# Altium PCB Passive_Sonar_Rev1.PcbDoc (part 1 of 2)
Units mil, origin at the board's own origin, x right, y up, seen from the top; angles counter-clockwise.
Board outline 4015 x 2015 mil, 4 copper layers (Top Layer, Power, Ground, Bottom Layer); 218 components, 117 nets, 707 pads, 249 vias.
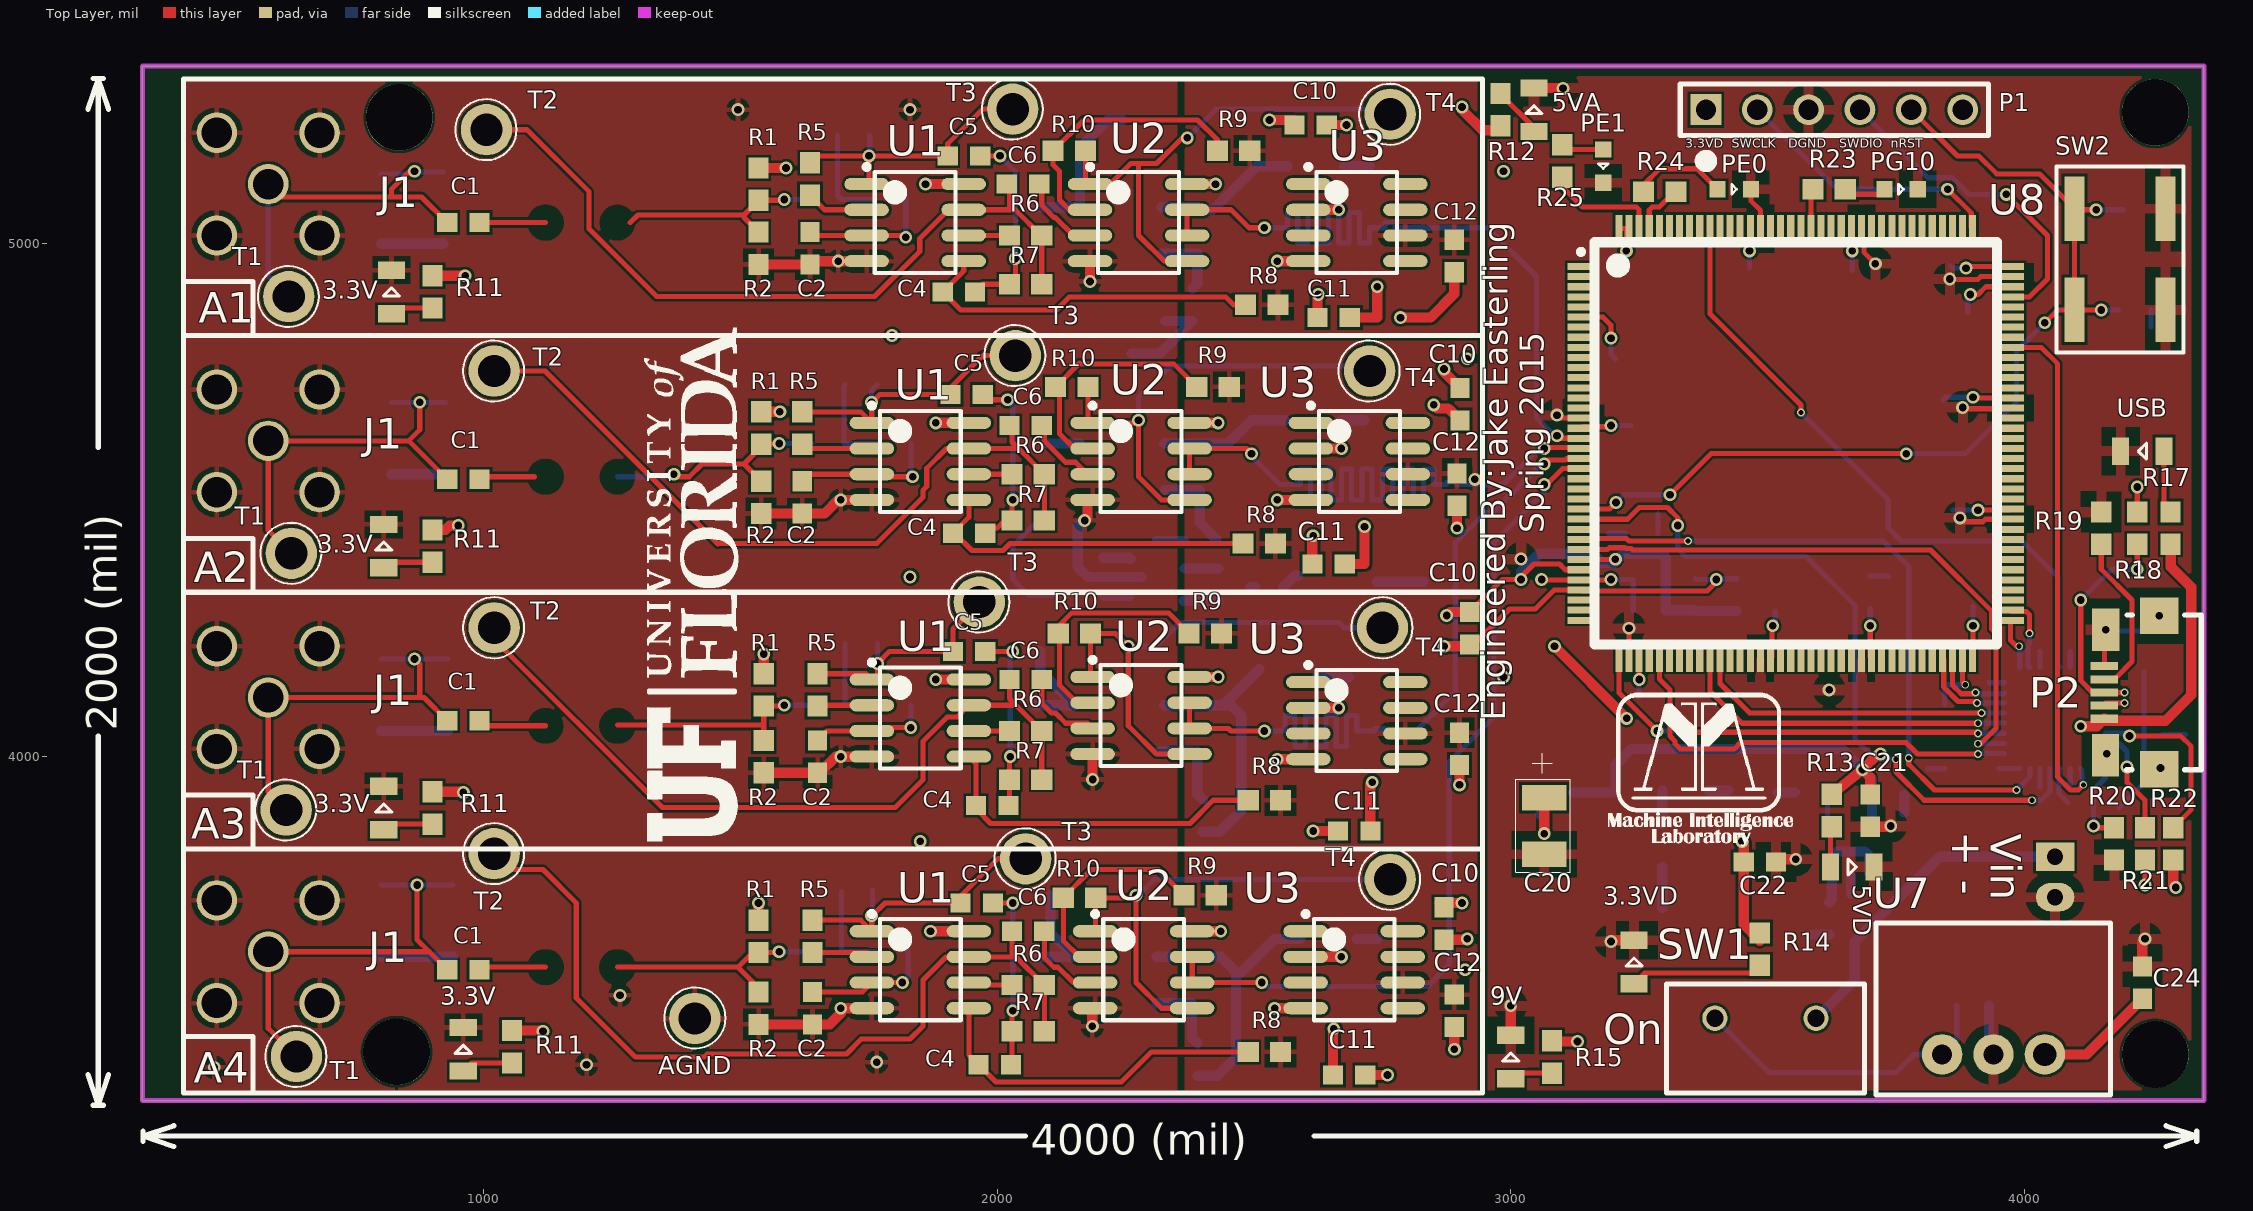
[diagram p0: Top Layer view]
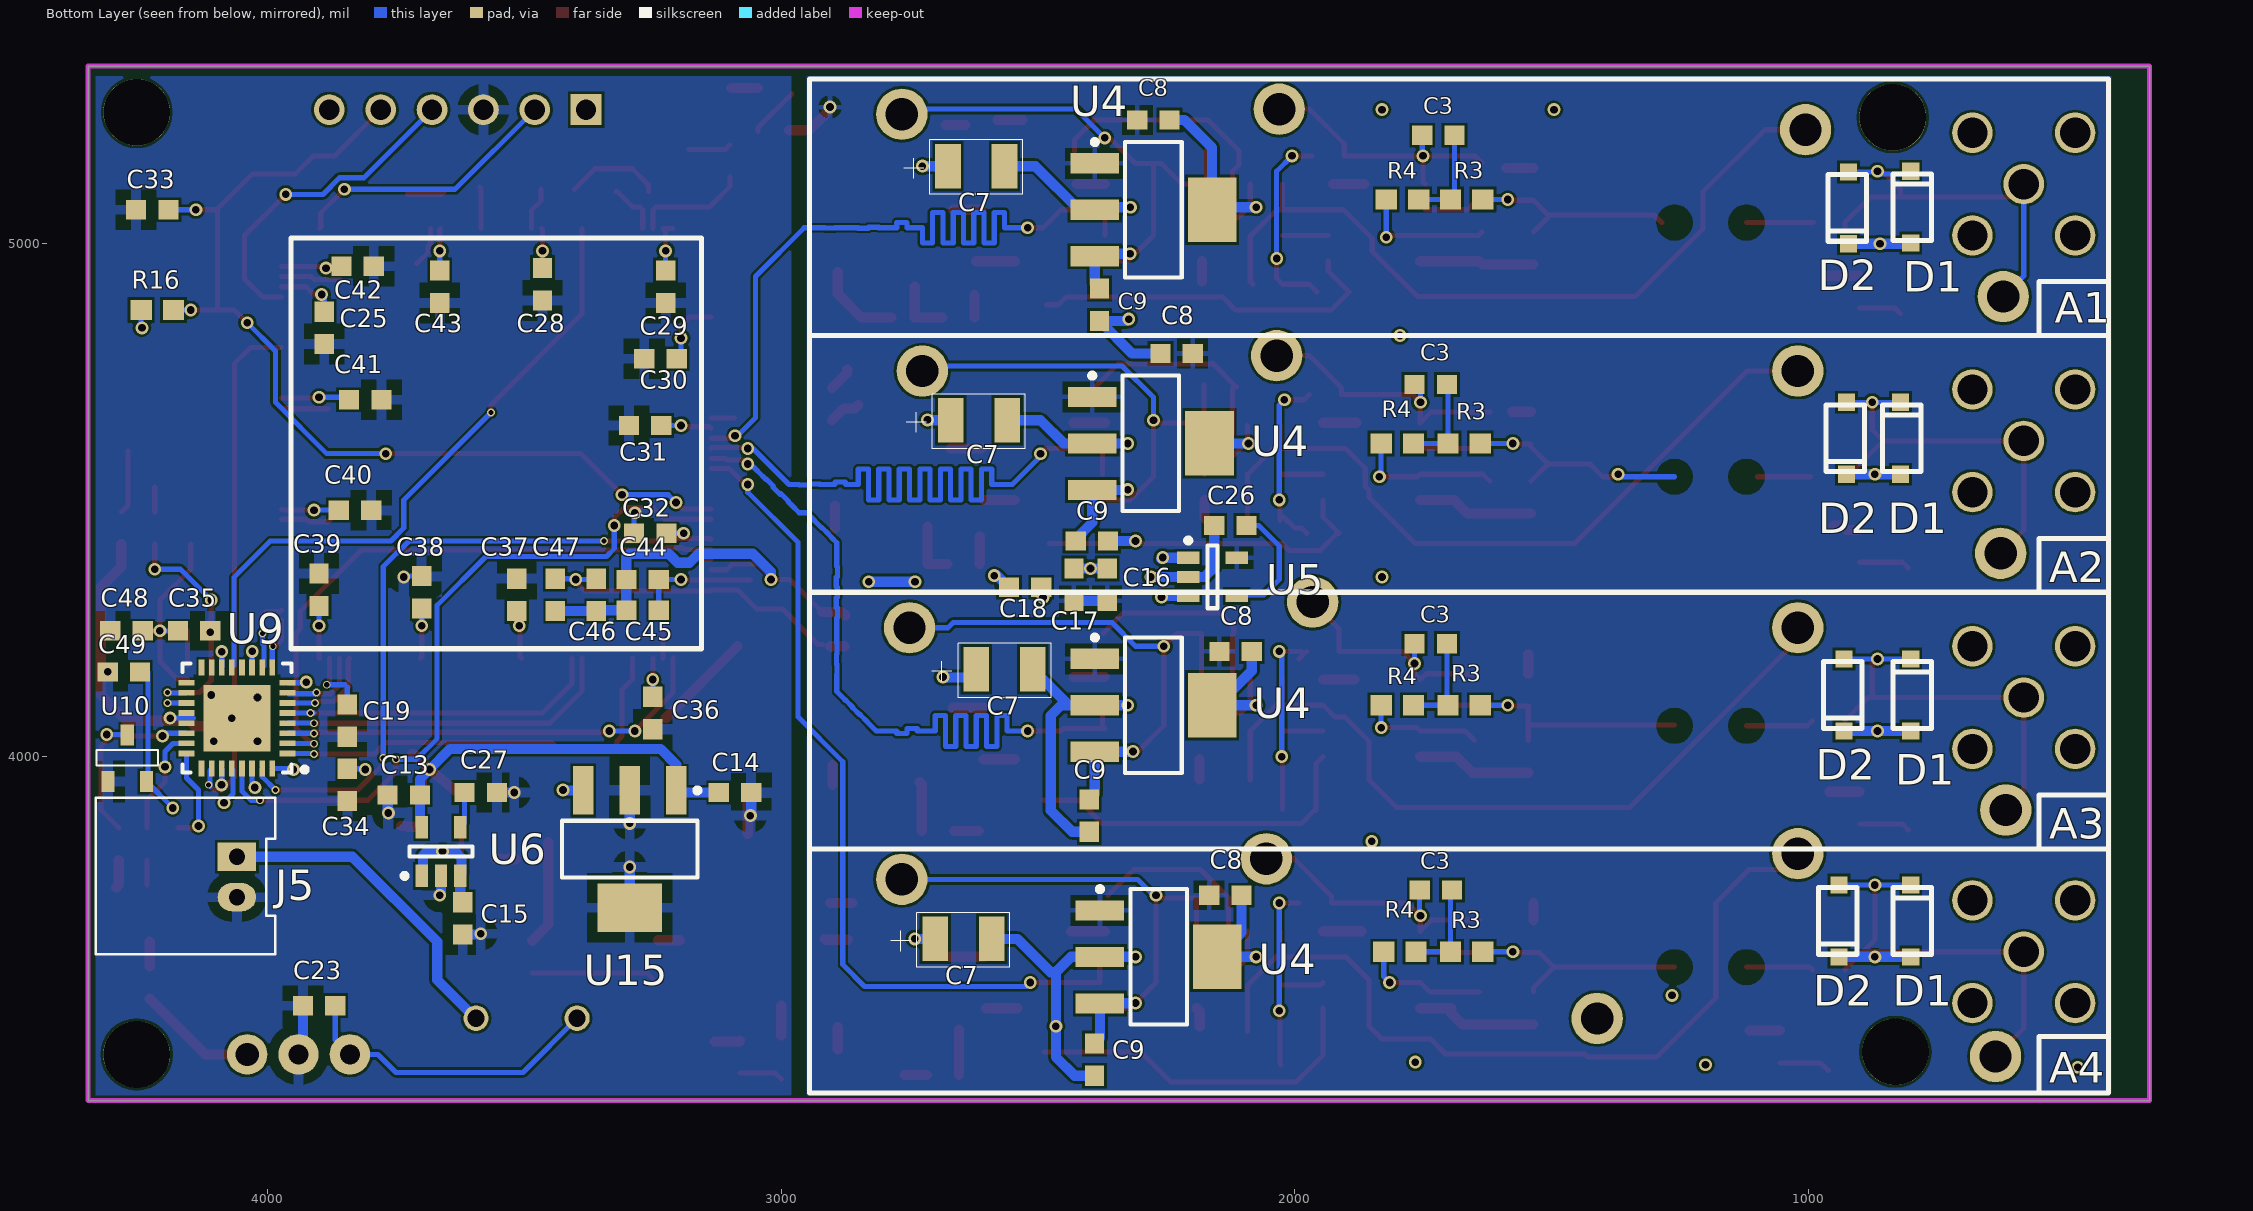
[diagram p1: Bottom Layer view, seen from below]
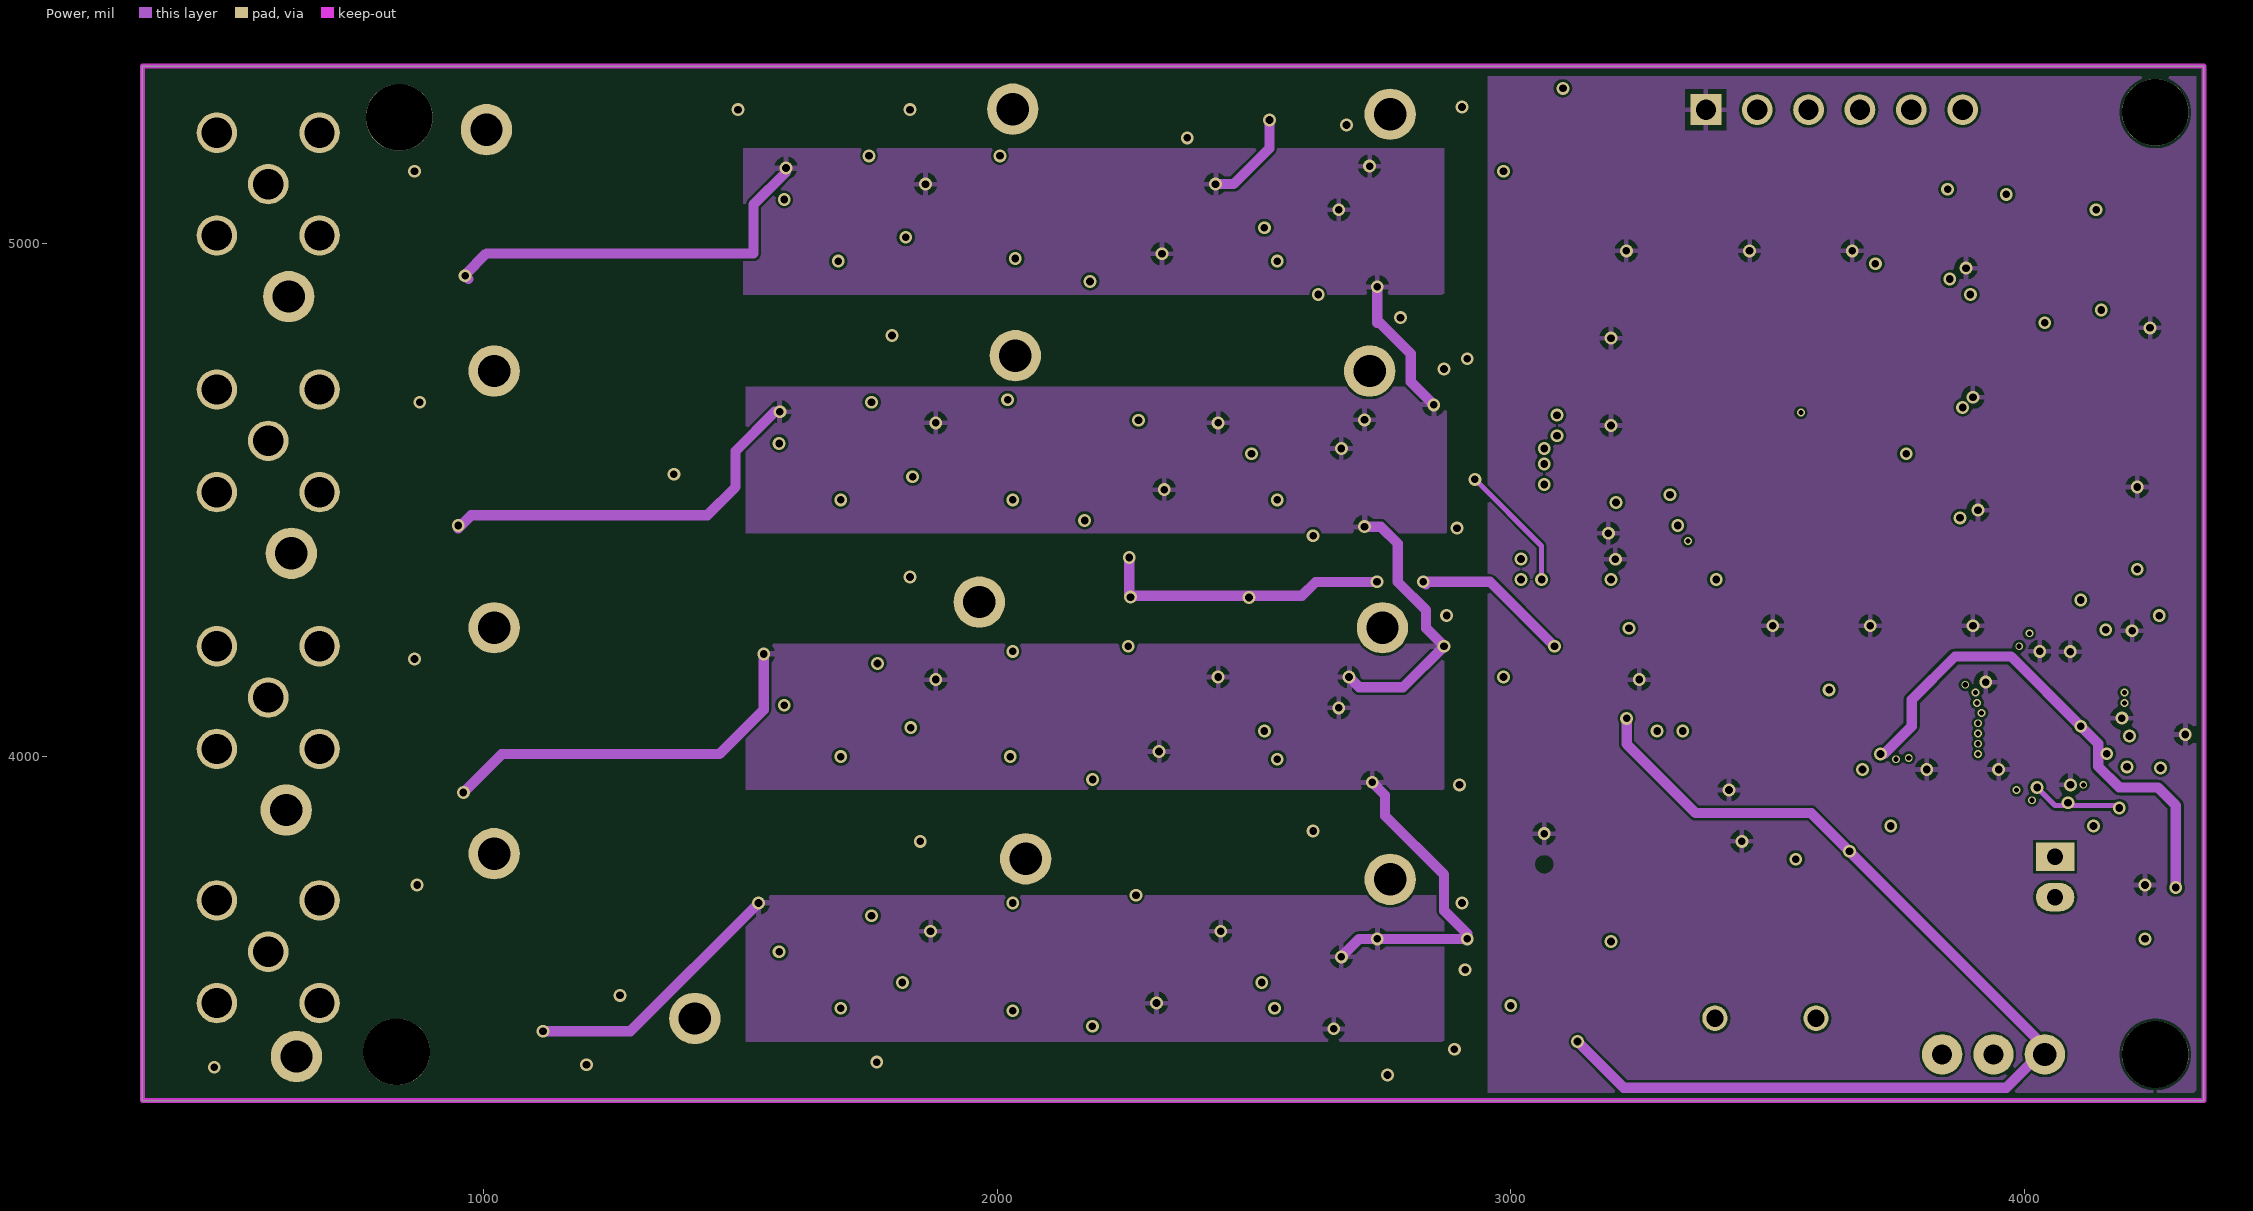
[diagram p2: Power]
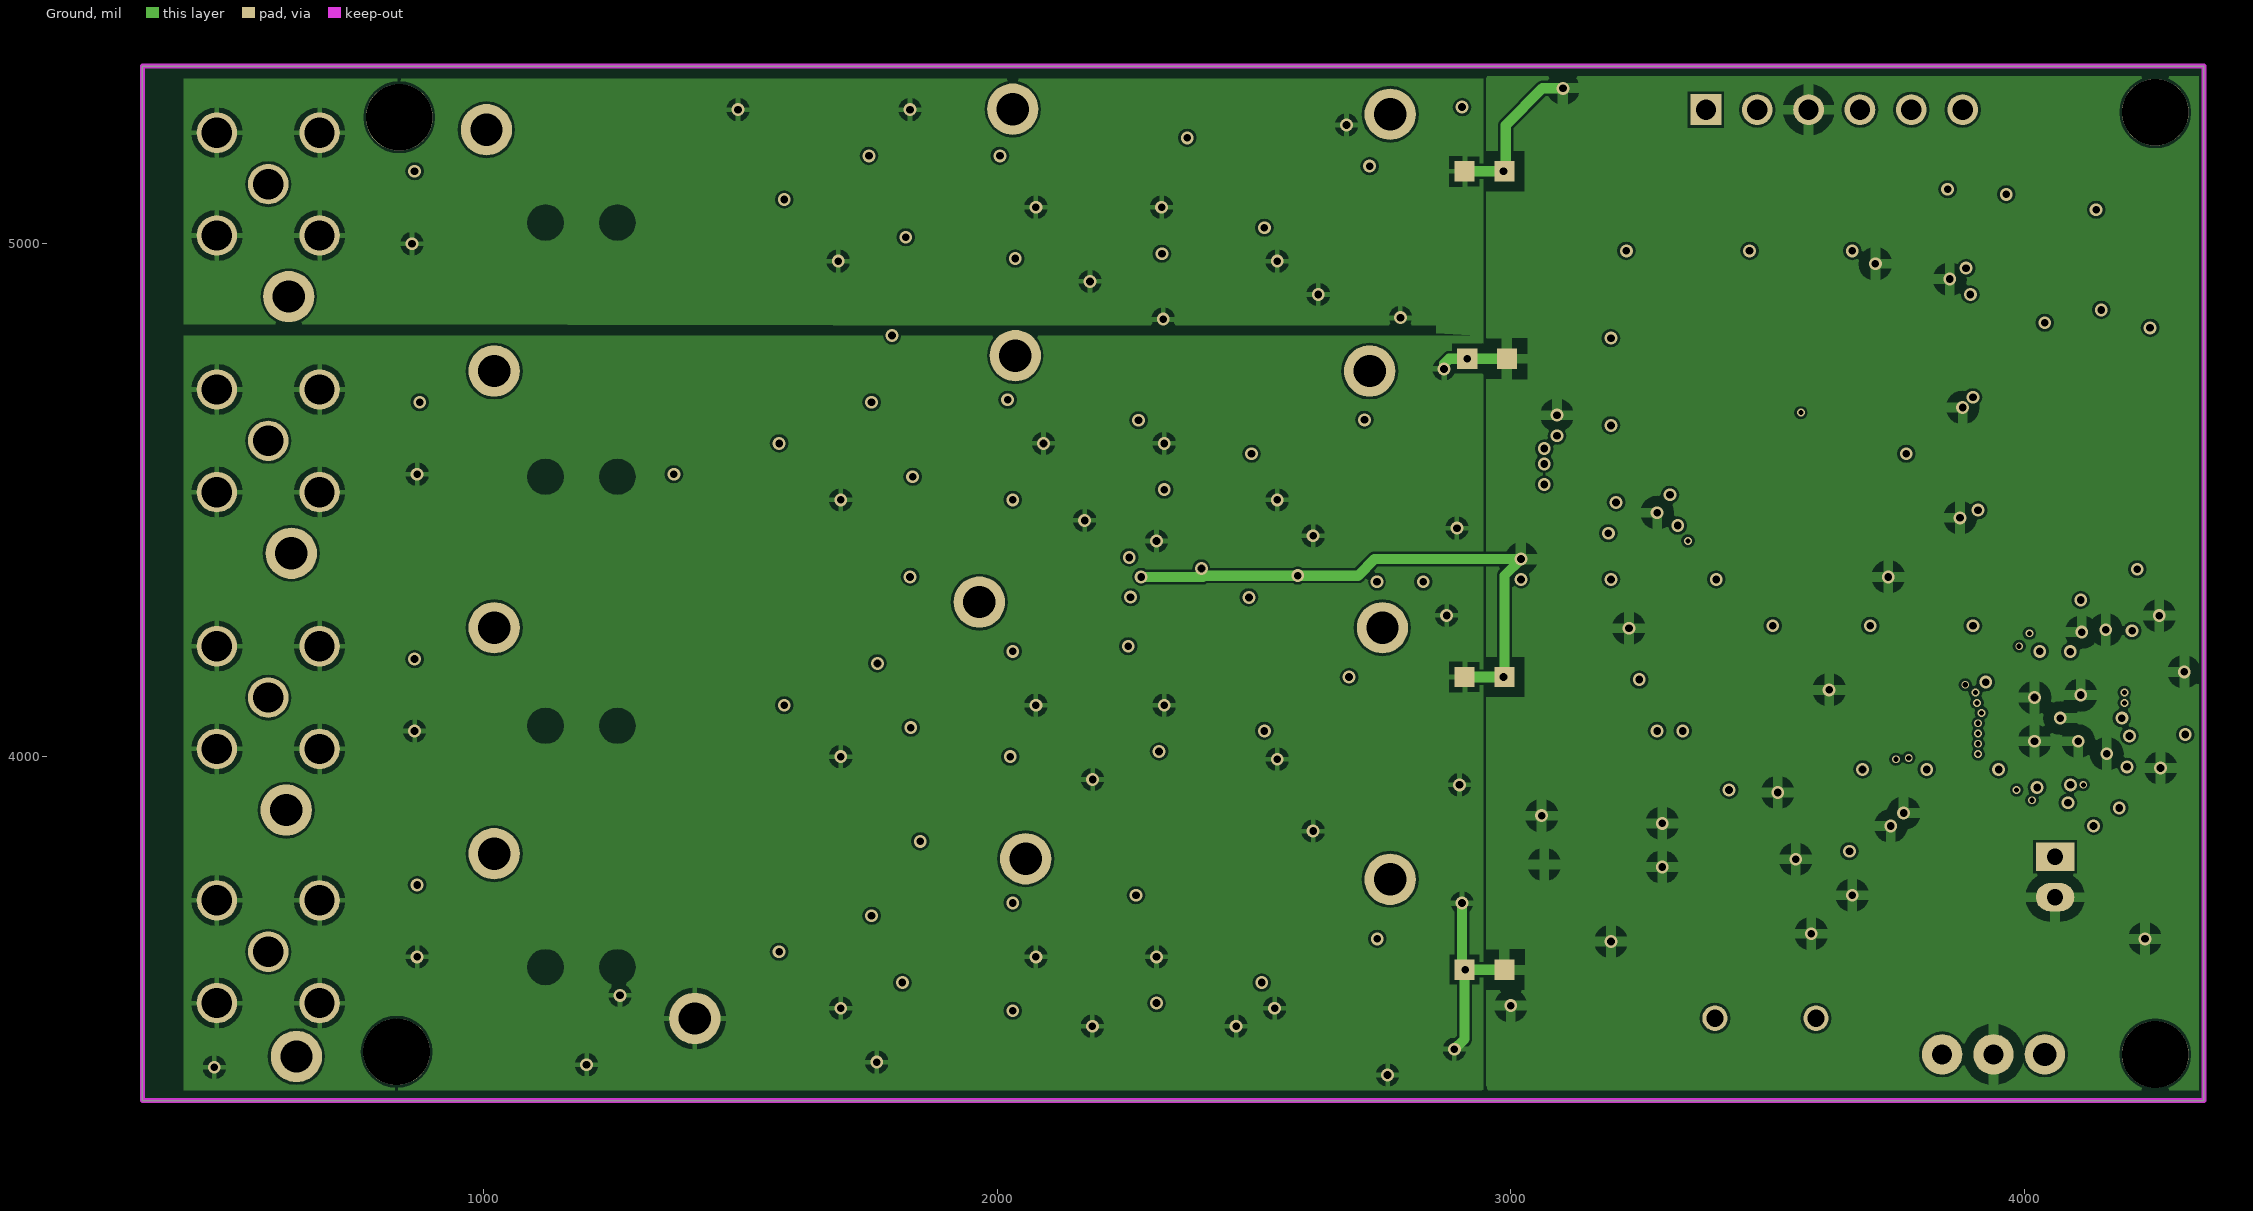
[diagram p3: Ground]

## Layer stack, top to bottom
Top Layer: signal copper 1.4
Dielectric: core 12.6, FR-4, Dk 4.8
Power: signal copper 1.4
Dielectric: prepreg 12.6, FR-4, Dk 4.8
Ground: signal copper 1.4
Dielectric: core 12.6, FR-4, Dk 4.8
Bottom Layer: signal copper 1.4

## Board outline
335,3330 335,5345 4350,5345 4350,3330 335,3330

## Design rules (kind name [scope] priority, off if disabled: settings)
Clearance [All] p1: gap=5
DiffPairsRouting [All] p1: maxlimit=10 minlimit=10 mostfreqgap=10 maxuncoupledlength=500
HoleSize [All] p1: absolutevalues=TRUE maxlimit=131 minlimit=1 maxpercent=80.000 minpercent=20.000
MinimumSolderMaskSliver [All] p1: minsoldermaskwidth=0
PolygonConnect PolygonConnect_1 [InNetClass('Ground') vs IsNamedPolygon('DGND')] p1: connectstyle=Relief reliefconductorwidth=20 reliefentries=4 polygonreliefangle="90 Angle" airgapwidth=20
PolygonConnect [All] p2: connectstyle=Relief reliefconductorwidth=10 reliefentries=4 polygonreliefangle="90 Angle" airgapwidth=10
RoutingCorners [All] p1: cornerstyle=Round minsetback=100 maxsetback=100
RoutingVias [All] p1: holewidth=15 width=25 viastyle="Through Hole" minholewidth=10 minwidth=15 maxholewidth=28 maxwidth=50
ShortCircuit "Ground S.C." [InNetClass('Ground')] p1: allowed=TRUE
ShortCircuit [All] p2: allowed=FALSE
SilkToSilkClearance [All] p1: silktosilkclearance=0
SilkToSolderMaskClearance [IsPad] p1: minsilkscreentomaskgap=0 clearancetoexposedcopper=TRUE
SolderMaskExpansion [All] p1: expansion=4
Width Power [InNetClass('Power')] p1: maxlimit=20 minlimit=10 preferedwidth=20
Width Ground [InNetClass('Ground')] p2: maxlimit=50 minlimit=10 preferedwidth=20
Width [All] p3: maxlimit=10 minlimit=10 preferedwidth=10
21 further rules are at their usual default settings.

## Classes and differential pairs
component class U_USB: C34 C35 C48 C49 P2 R17 R18 R19 R20 R21 R22 U9 U10 USB
net class Band_Pass: NetU2_A1_6 NetU2_A2_6 NetU2_A3_6 NetU2_A4_6
component class A3: C1_A3 C2_A3 C3_A3 C4_A3 C5_A3 C6_A3 C7_A3 C8_A3 C9_A3 C10_A3 C11_A3 C12_A3 D1_A3 D2_A3 L1_A3 LED4_A3 R1_A3 R2_A3 R3_A3 R4_A3 R5_A3 R6_A3 R7_A3 R8_A3 R9_A3 R10_A3 R11_A3 T1_A3 T2_A3 T3_A3 T4_A3 U1_A3 U2_A3 U3_A3 U4_A3
channel class Band_Pass: A1 A2 A3 A4
component class U_Power_: 3.3VD 5VA 5VD 9V C13 C14 C15 C16 C17 C18 C20 C21 C22 C23 C24 C26 C27 R12 R13 R14 R15 SW1 U5 U6 U7 U15
component class Top_Level: J1 J5
component class A4: 3.3V C1 C2 C3 C4 C5 C6 C7 C8 C9 C10 C11 C12 C47_A4 D1 D2 LED4_A4 R1 R2 R3 R4 R5 R6 R7 R8 R9 R10 R11 R11_A4 T1 T2 T3 T4 U1 U3
component class A1: 3.3V C1 C2 C3 C4 C5 C6 C7 C8 C9 C10 C11 C12 C47_A3 D1 D2 R1 R2 R3 R4 R5 R6 R7 R8 R9 R10 R11 T1 T2 T3 T4 U1 U2 U3 U4
net class Power: 3.3VA1 3.3VD 5VA 5VD V9 VIN
net class Ground: AGND DGND
component class A2: 3.3V C1 C2 C3 C4 C5 C6 C47 C50 C51 C52 C53 C54 C55 C56 C57 C58 C59 C60 C61 C62 D1 D2 PE0 PE1 PG10 R1 R2 R3 R4 R5 R6 R7 R8 R9 R10 R11 R52 R53 R54 R55 T1 T2 T3 T4 U1 U3
component class U_CPU: C19 C25 C28 C29 C30 C31 C32 C33 C36 C37 C38 C39 C40 C41 C42 C43 C44 C45 C46 C47 P1 PE0 PE1 PG10 R16 R23 R24 R25 SW2 U8
differential pair USB: +USB_P -USB_N

## Components (designator, comment, footprint, x,y, rotation, side; value= is the part's Value field where it differs from the comment)
3.3V "LED" LED0805 960,3430 r90 top (schematic designator LED4)
3.3V "LED" LED0805 805,3900 r90 top (schematic designator LED4)
3.3V "LED" LED0805 805,4410 r90 top (schematic designator LED4)
3.3V "LED" LED0805 820,4905 r90 top (schematic designator LED4)
3.3VD "LED" LED0805 3240,3600 r90 top (schematic designator LED3)
5VA "LED" LED0805 3045,5260 r90 top (schematic designator LED1)
5VD "LED" LED0805 3665,3785 r0 top (schematic designator LED2)
9V "LED" LED0805 3000,3415 r90 top (schematic designator LED5)
* "UF LOGO" "UF LOGO-1000" 1495,3835 r90 top